# Altium PCB senior_board_rev2.PcbDoc (part 1 of 3) (continued)
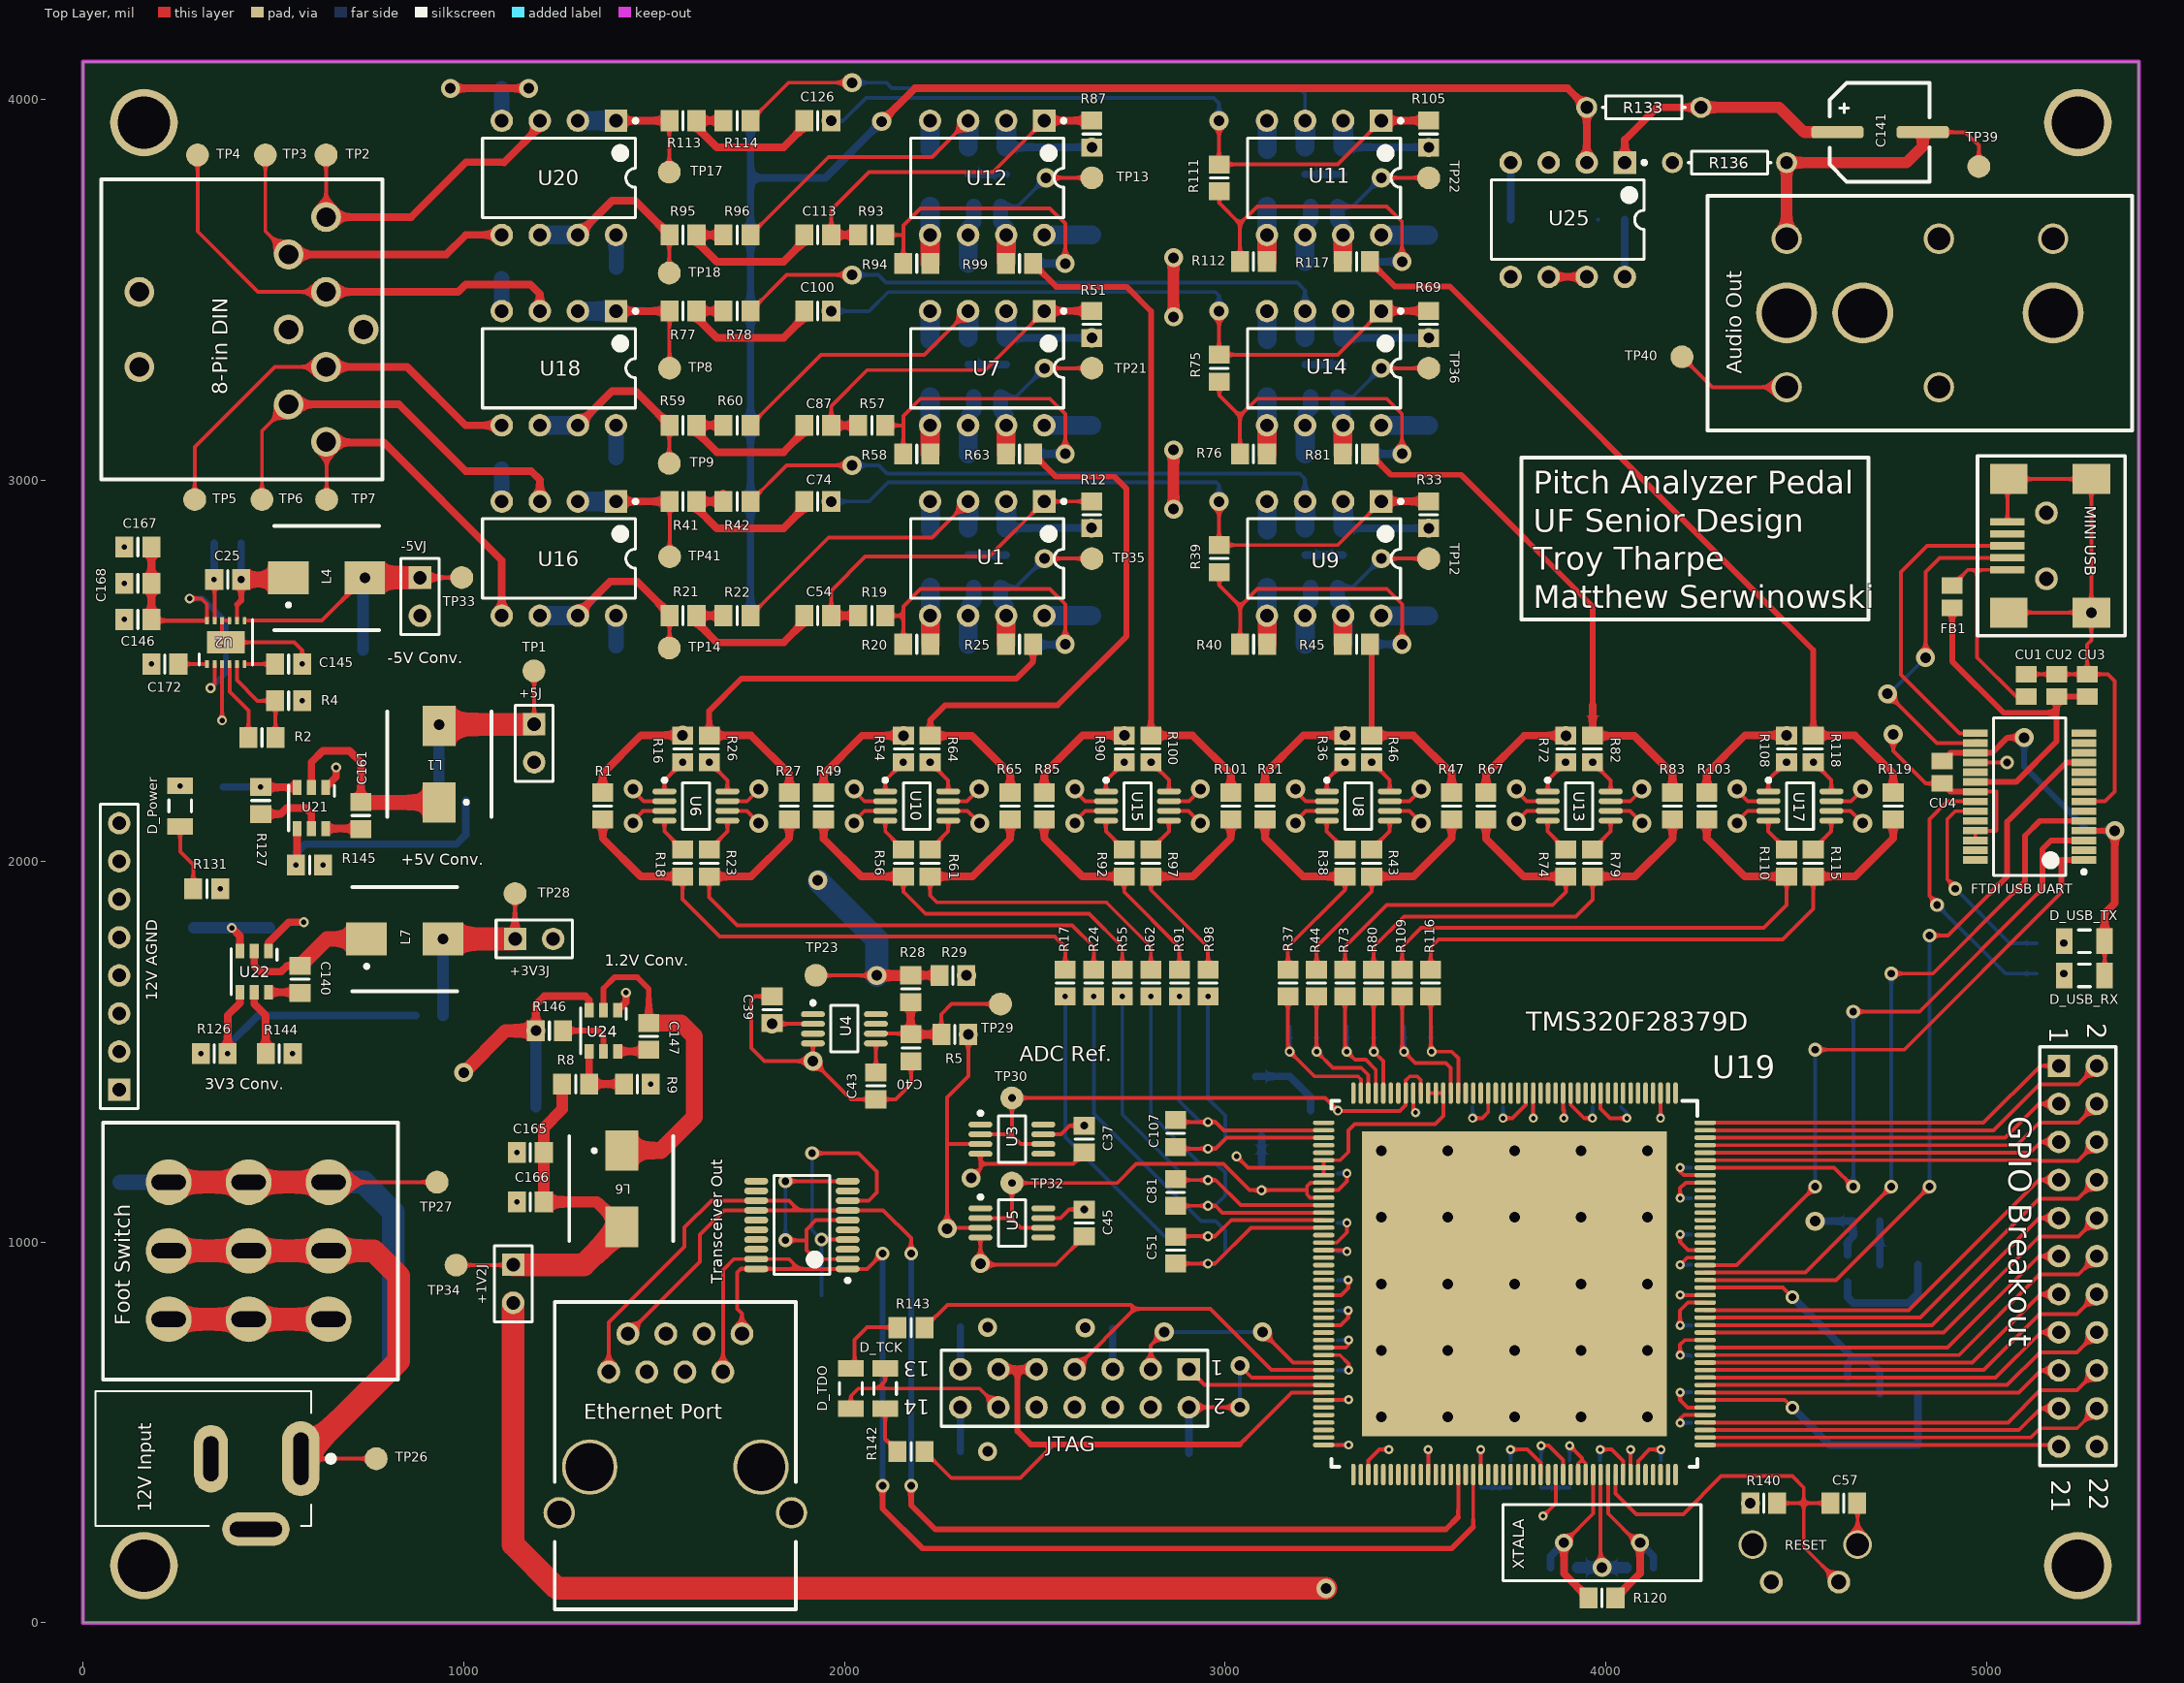
[diagram p0: Top Layer view]
## Components (designator, comment, footprint, x,y, rotation, side; value= is the part's Value field where it differs from the comment)
"8-Pin DIN" "8 pin DIN CONN" "8 PIN DIN CONN" 47.87,3790.55 r270 top
"12V AGND" "Header 8" HDR1X8 95,1400 r90 top
"12V Input" "PJ-002AH" PJ-002AH 650.96,430.79 r180 top
+1V2J "Header 2" HDR1X2 1130,940 r270 top
+3V3J "Header 2" HDR1X2 1135,1796 r0 top
+5J "Header 2" HDR1X2 1185,2360 r270 top
-5VJ "Header 2" HDR1X2 885,2745 r270 top
"Audio Out" "SN37A12A" SN37A12A 4475,3440 r0 top
C1 "Cap" 6-0805_N 3810,1390 r90 bottom value=100nF
C2 "Cap" 6-0805_N 3650,1390 r90 bottom value=100nF
C3 "Cap" 6-0805_N 3965,1390 r90 bottom value=100nF
C4 "Cap" 6-0805_N 4040,1390 r90 bottom value=100nF
C5 "Cap" 6-0805_N 4260,605 r0 bottom value=100nF
C6 "Cap" 6-0805_N 3260,975 r180 bottom value=100nF
C7 "Cap" 6-0805_N 4143.11,1390 r90 bottom value=100nF
C8 "Cap" 6-0805_N 3750,390 r270 bottom value=100nF
C9 "Cap" 6-0805_N 3985,390 r270 bottom value=100nF
C10 "Cap" 6-0805_N 4260,700 r0 bottom value=100nF
C11 "Cap" 6-0805_N 4260,780 r0 bottom value=100nF
C12 "Cap" 6-0805_N 4260,1020 r0 bottom value=100nF
C13 "Cap" 6-0805_N 3495,1390 r90 bottom value=100nF
C14 "Cap" 6-0805_N 4260,1115 r0 bottom value=100nF
C15 "Cap" 6-0805_N 3905,390 r270 bottom value=100nF
C17 "Cap" 6-0805_N 3672,390 r270 bottom value=100nF
C18 "Cap" 6-0805_N 3260,466 r180 bottom value=100nF
C19 "Cap" 6-0805_N 3260,584 r180 bottom value=100nF
C20 "Cap" 6-0805_N 3534,390 r270 bottom value=100nF
C21 "Cap" 6-0805_N 3260,899 r180 bottom value=100nF
C22 "Cap" 6-0805_N 3377,390 r270 bottom value=100nF
C23 "Cap" 6-0805_N 3800,280 r180 bottom value=100nF
C24 "Cap" 6-0805_N 3260,742 r180 bottom value=100nF
C25 "Cap" 6-0805_N 380,2740 r180 top value=10uF
C26 "Cap" 6-0805_N 4260,1195 r0 bottom value=2.2uF
C27 "Cap" 6-0805_N 4065,390 r270 bottom value=2.2uF
C28 "Cap" 6-0805_N 4260,940 r0 bottom value=2.2uF
C29 "Cap" 6-0805_N 4260,860 r0 bottom value=2.2uF
C30 "Cap" 6-0805_N 3730,1390 r90 bottom value=2.2uF
C31 "Cap" 6-0805_N 3890,1390 r90 bottom value=2.2uF
C32 "Cap" 6-0805_N 4260,525 r0 bottom value=2.2uF
C33 "Cap" 6-0805_N 3830,390 r270 bottom value=2.2uF
C34 "Cap" 6-0805_N 3260,663 r180 bottom value=2.2uF
C35 "Cap" 6-0805_N 3260,1050 r180 bottom value=2.2uF
C36 "Cap" 6-0805_N 4145,390 r270 bottom value=100nF
C37 "Cap" 6-0805_N 2630,1270 r270 top value=100nF
C38 "Cap" 6-0805_N 1809.57,1537.8 r270 bottom value=2.2uF
C39 "Cap" 6-0805_N 1810,1610 r90 top value=100nF
C40 "Cap" 6-0805_N 2175,1510 r270 top value=1uF
C41 "Cap" 6-0805_N 2360.47,1544.57 r0 bottom value=1uF
C42 "Cap" 6-0805_N 2270,1070 r90 bottom value=1uF
C43 "Cap" 6-0805_N 2082.68,1410 r270 top value=1uF
C44 "Cap" 6-0805_N 3080,1470 r90 bottom value=22uF
C45 "Cap" 6-0805_N 2630,1050 r270 top value=100nF
C46 "Cap" 6-0805_N 3095,1314.57 r90 bottom value=22uF
C47 "Cap" 6-0805_N 380,2740 r180 bottom value=10uF
C48 "Cap" 6-0805_N 380,2835 r180 bottom value=10uF
C49 "47uF" UUQ1C470MCL1GB 815,651.1 r180 bottom
C50 "Cap" 6-0805_N 1610.43,2260 r0 bottom value=1n
C51 "Cap" 6-0805_N 2870,978.58 r270 top value=180p
C52 "Cap" 6-0805_N 2190,2720 r180 bottom value=10nF
C53 "Cap" 6-0805_N 2325,2840 r270 bottom value=10nF
C54 "Cap" 6-0805_N 1930,2645 r0 top value=8.2nF
C55 "Cap" 6-0805_N 2460,2568.84 r180 bottom value=18nF
C56 "Cap" 6-0805_N 1410,2105 r180 bottom value=100nF
C57 "Cap" 6-0805_N 4625,314.07 r180 top value=8.2nF
C58 "Cap" 6-0805_N 2649.57,2680 r90 bottom value=100nF
C59 "Cap" 6-0805_N 2050,1701 r180 bottom value=1uF
C60 "Cap" 6-0805_N 2190,2870 r180 bottom value=100nF
C61 "Cap" 6-0805_N 1365,2560 r180 bottom value=100nF
C62 "Cap" 6-0805_N 1775,2145 r270 bottom value=220nF
C63 "Cap" 6-0805_N 3150,2105 r180 bottom value=100nF
C64 "Cap" 6-0805_N 1365,3060 r180 bottom value=100nF
C65 "Cap" 6-0805_N 3535,2680 r90 bottom value=100nF
C67 "Cap" 6-0805_N 3350,2260 r0 bottom value=1nF
C68 "Cap" 6-0805_N 3205,1565 r0 bottom value=180p
C69 "Cap" 6-0805_N 3075.43,2720 r180 bottom value=10nF
C70 "Cap" 6-0805_N 3210,2840 r270 bottom value=10nF
C71 "Cap" 6-0805_N 3075,2870 r180 bottom value=100nF
C72 "Cap" 6-0805_N 1135,3030 r0 bottom value=100nF
C73 "Cap" 6-0805_N 3515,2145 r270 bottom value=220nF
C74 "Cap" 6-0805_N 1930,2945 r0 top value=8.2nF
C75 "Cap" 6-0805_N 3345,2570 r180 bottom value=18nF
C76 "Cap" 6-0805_N 1990,2105 r180 bottom value=100nF
C77 "Cap" 6-0805_N 1135,3530.28 r0 bottom value=100nF
C78 "Cap" 6-0805_N 2650,3180 r90 bottom value=100nF
C80 "Cap" 6-0805_N 2190,2260 r0 bottom value=1n
C81 "Cap" 6-0805_N 2870,1130 r270 top value=180p
C82 "Cap" 6-0805_N 2190,3220 r180 bottom value=10nF
C83 "Cap" 6-0805_N 2325,3340 r270 bottom value=10nF
C84 "Cap" 6-0805_N 2190,3370 r180 bottom value=100nF
C85 "Cap" 6-0805_N 1365,3560 r180 bottom value=100nF
C86 "Cap" 6-0805_N 2355,2145.43 r270 bottom value=220nF
C87 "Cap" 6-0805_N 1930,3145 r0 top value=8.2nF
C88 "Cap" 6-0805_N 2460,3070 r180 bottom value=18nF
C89 "Cap" 6-0805_N 3730,2105 r180 bottom value=100nF
C90 "Cap" 6-0805_N 1135,4030 r0 bottom value=100nF
C91 "Cap" 6-0805_N 3535,3180 r90 bottom value=100nF
C93 "Cap" 6-0805_N 3930,2260 r0 bottom value=1n
C94 "Cap" 6-0805_N 3355,1565 r0 bottom value=180p
C95 "Cap" 6-0805_N 3075,3220 r180 bottom value=10nF
C96 "Cap" 6-0805_N 3210,3340 r270 bottom value=10nF
C97 "Cap" 6-0805_N 3075,3370 r180 bottom value=100nF
C98 "Cap" 6-0805_N 1940,825 r270 bottom value=100nF
C99 "Cap" 6-0805_N 4095,2145 r270 bottom value=220nF
C100 "Cap" 6-0805_N 1930,3445 r0 top value=8.2nF
C101 "Cap" 6-0805_N 3345,3070 r180 bottom value=18nF
C102 "Cap" 6-0805_N 2570,2105 r180 bottom value=100nF
C103 "Cap" 6-0805_N 3260,1180 r180 bottom value=100nF
C104 "Cap" 6-0805_N 2650,3680 r90 bottom value=100nF
C106 "Cap" 6-0805_N 2770,2260 r0 bottom value=1n
C107 "Cap" 6-0805_N 2870,1285 r270 top value=180p
C108 "Cap" 6-0805_N 2190,3720 r180 bottom value=10nF
C109 "Cap" 6-0805_N 2325,3840 r270 bottom value=10nF
C110 "Cap" 6-0805_N 2190,3870 r180 bottom value=100nF
C111 "Cap" 6-0805_N 290,1790 r90 bottom value=10uF
C112 "Cap" 6-0805_N 2935,2145 r270 bottom value=220nF
C113 "Cap" 6-0805_N 1930,3645 r0 top value=8.2nF
C114 "Cap" 6-0805_N 2460,3570 r180 bottom value=18nF
C115 "Cap" 6-0805_N 4310,2105 r180 bottom value=100nF
C116 "Cap" 6-0805_N 368.43,2159.57 r90 bottom value=10uF
C117 "Cap" 6-0805_N 3535,3680 r90 bottom value=100nF
C119 "Cap" 6-0805_N 4510,2260 r0 bottom value=1n
C120 "Cap" 6-0805_N 3506.13,1565 r0 bottom value=180p
C121 "Cap" 6-0805_N 3075,3720 r180 bottom value=10nF
C122 "Cap" 6-0805_N 3210,3840 r270 bottom value=10nF
C123 "Cap" 6-0805_N 3075,3870 r180 bottom value=100nF
C124 "Cap" 6-0805_N 375,2575 r90 bottom value=2.2uF
C125 "Cap" 6-0805_N 4675,2145 r270 bottom value=220nF
C126 "Cap" 6-0805_N 1930,3945 r0 top value=8.2nF
C127 "Cap" 6-0805_N 3345,3575 r180 bottom value=18nF
C128 "Cap" 6-0805_N 1410,2185 r180 bottom value=100nF
C129 "Cap" 6-0805_N 3730,2185 r180 bottom value=100nF
C130 "Cap" 6-0805_N 3150,2185 r180 bottom value=100nF
C131 "Cap" 6-0805_N 2570,2185 r180 bottom value=100nF
C132 "Cap" 6-0805_N 1990,2185 r180 bottom value=100nF
C133 "Cap" 6-0805_N 4310,2185 r180 bottom value=100nF
C134 "Cap" 6-0805_N 3260,820 r0 bottom value=0.1uF
C135 "Cap" 6-0805_N 4090,145 r0 bottom value=36pF
C136 "Cap" 6-0805_N 3890,145 r180 bottom value=36pF
C137 "Cap" 6-0805_N 1225,1455 r180 bottom value=10uF
C138 "Cap" 6-0805_N 95,1124 r90 bottom value=100nF
C139 "Cap" 6-0805_N 490.79,1790 r90 bottom value=10uF
C140 "Cap" 6-0805_N 570,1690 r90 top value=100nF
C141 "Cap Pol1" UUQ1C470MCL1GB 4630,3915 r90 top value=47uF
C142 "Cap" 6-0805_N 563.43,2159.57 r90 bottom value=10uF
C143 "Cap" 6-0805_N 466.73,2159.57 r90 bottom value=0.1uF
C145 "Cap" 6-0805_N 540,2517.91 r180 top value=1uF
C146 "Cap" 6-0805_N 144.13,2635 r0 top value=22uF
C147 "Cap" 6-0805_N 1486,1540 r270 top value=100nF
C148 "Cap" 6-0805_N 1225,1355 r180 bottom value=10uF
C149 "Cap" 6-0805_N 390.79,1790 r90 bottom value=0.1uF
C150 "Cap" 6-0805_N 1576,2645 r0 bottom value=1u
C151 "Cap" 6-0805_N 1576,2945 r0 bottom value=1u
C152 "Cap" 6-0805_N 4014.57,3685 r180 bottom value=100nF
C153 "Cap" 6-0805_N 1576,3145 r0 bottom value=1u
C155 "Cap" 6-0805_N 1576,3445 r0 bottom value=1u
C156 "Cap" 6-0805_N 3785,3685 r0 bottom value=100nF
C157 "Cap" 6-0805_N 1576,3645 r0 bottom value=1u
C158 "Cap" 6-0805_N 1576,3945 r0 bottom value=1u
C159 "Cap" 6-0805_N 910,1695 r0 bottom value=22uF
C160 "Cap" 6-0805_N 909.96,1796 r0 bottom value=22uF
C161 "Cap" 6-0805_N 730,2120 r90 top value=100nF
C162 "Cap" 6-0805_N 970,2259.91 r180 bottom value=22uF
C163 "Cap" 6-0805_N 970,2360 r180 bottom value=22uF
C164 "Cap" 6-0805_N 1225,1555 r180 bottom value=0.1uF
C165 "Cap" 6-0805_N 1175,1235 r0 top value=22uF
C166 "Cap" 6-0805_N 1175,1105 r0 top value=22uF
C167 "Cap" 6-0805_N 144.13,2825.63 r0 top value=22uF
C168 "Cap" 6-0805_N 144.13,2730 r0 top value=22uF
C169 "Cap" 6-0805_N 700,2555 r0 bottom value=22uF
C170 "Cap" 6-0805_N 700,2650 r0 bottom value=22uF
C171 "Cap" 6-0805_N 701,2745 r0 bottom value=22uF
C172 "Cap" 6-0805_N 215,2517.91 r0 top value=.22uF
CU1 "Cap Pol3" C0805 5104.15,2461.65 r90 top value=10nF
CU2 "Cap Pol3" C0805 5184.43,2461.65 r90 top value=100nF
CU3 "Cap Pol3" C0805 5264.43,2461.65 r90 top value=4.7uF
CU4 "Cap Pol3" C0805 4883.35,2233.82 r270 top value=100nF
D1 "Diode BAT17" Shotky 850,1410 r270 bottom
D2 "Diode BAT17" Shotky 910,100 r0 bottom
D3 "Diode BAT17" Shotky 750,1265 r90 bottom
D4 "Diode BAT17" Shotky 1055,200 r180 bottom
D_Power "Diode" C1206 255,2145 r90 top
D_TCK "Diode" C1206 2107,615 r90 top
D_TDO "Diode" C1206 2017,615 r270 top
D_USB_RX "Diode" C1206 5257.5,1700 r180 top
D_USB_TX "Diode" C1206 5257.5,1790 r180 top
"Ethernet Port" "RJ45" RJ45 1781,408.83 r90 top
FB1 "" C0805 4910,2695 r270 top value=100pF
"Foot Switch" "LATCH SWITCH" FOOTSWITCH 827.5,1313.5 r180 top
"FTDI USB UART" "FT232RL" FT232R 5113.35,2169.84 r180 top
"GPIO Breakout" "Header 11X2" HDR2X11 5190,1462.7 r270 top
JTAG "Header 7X2" HDR2X7 2904.57,665.75 r180 top
L1 "Inductor" "FIXED IND 4.7UH" 935,2255 r90 top value=4.7uH
L4 "Inductor" "FIXED IND 4.7UH" 639.61,2745 r0 top value=4.7uH
L6 "Inductor" "FIXED IND 4.7UH" 1415,1140 r270 top value=3.3uH
L7 "Inductor" "FIXED IND 4.7UH" 845,1796 r0 top value=3.3uH
"MINI USB" "MINI USB B" "MINI USB B" 5133.74,2828.5 r90 top
R1 "" 6-0805_N 1365,2145 r270 top value=4.8k
R2 "" 6-0805_N 470,2325 r180 top value=130k
R3 "" 6-0805_N 330,2370 r180 bottom value=102k
R4 "" 6-0805_N 540,2421.57 r180 top value=24k
R5 "" 6-0805_N 2290,1545 r180 top value=1k
R6 "" 6-0805_N 3260,1345 r180 bottom value=100mOhm
R7 "" 6-0805_N 3095.87,1171.42 r90 bottom value=100mOhm
R8 "" 6-0805_N 1294,1415 r180 top value=5.76k
R9 "" 6-0805_N 1456,1415 r180 top value=10k
R10 "" 6-0805_N 1718,2645 r0 bottom value=47k
R11 "" 6-0805_N 2425,2840 r90 bottom value=2.49k
R12 "" 6-0805_N 2650,2910 r90 top value=1.02k
R13 "" 6-0805_N 2290,2570 r0 bottom value=2.49k
R14 "" 6-0805_N 2375,2720 r0 bottom value=1.02k
R15 "" 6-0805_N 1540,2330 r0 bottom value=1.2k
R16 "" 6-0805_N 1575,2295 r270 top value=330
R17 "" 6-0805_N 2580,1680 r270 top value=12
R18 "" 6-0805_N 1575,1995 r270 top value=5.1
R19 "" 6-0805_N 2072,2645 r0 top value=12.1k
R20 "" 6-0805_N 2190,2570 r0 top value=3.57k
R21 "" 6-0805_N 1576,2645 r0 top value=9.53k
R22 "" 6-0805_N 1718,2645 r0 top value=10k
R23 "" 6-0805_N 1645,1995 r270 top value=5.1
R24 "" 6-0805_N 2655,1680 r270 top value=12
R25 "" 6-0805_N 2460,2570 r0 top value=1.2k
R26 "" 6-0805_N 1645,2295 r270 top value=330
R27 "" 6-0805_N 1855,2145 r270 top value=4.8k
R28 "" 6-0805_N 2174,1665 r270 top value=10k
R29 "" 6-0805_N 2285,1700 r180 top value=10k
R30 "" 6-0805_N 3280,2330 r0 bottom value=1.2k
R31 "" 6-0805_N 3105,2145 r270 top value=4.8k
R32 "" 6-0805_N 3310,2840 r90 bottom value=2.49k
R33 "" 6-0805_N 3535,2910 r90 top value=1.02k
R34 "" 6-0805_N 3175,2570 r0 bottom value=2.49k
R35 "" 6-0805_N 3260,2720 r0 bottom value=1.02k
R36 "" 6-0805_N 3315,2295 r270 top value=330
R37 "" 6-0805_N 3165,1680 r270 top value=12
R38 "" 6-0805_N 3315,1995 r270 top value=5.1
R39 "" 6-0805_N 2985,2795 r270 top value=12.1k
R40 "" 6-0805_N 3075,2570 r0 top value=3.57k
R41 "" 6-0805_N 1576,2945 r0 top value=9.53k
R42 "" 6-0805_N 1718,2945 r0 top value=10k
R43 "" 6-0805_N 3385,1995 r270 top value=5.1
R44 "" 6-0805_N 3240,1680 r270 top value=12
R45 "" 6-0805_N 3345,2570 r0 top value=1.2k
R46 "" 6-0805_N 3385,2295 r270 top value=330
R47 "" 6-0805_N 3595,2145 r270 top value=4.8k
R48 "" 6-0805_N 2120,2330 r0 bottom value=1.2k
R49 "" 6-0805_N 1945,2145 r270 top value=4.8k
R50 "" 6-0805_N 2425,3340 r90 bottom value=2.49k
R51 "" 6-0805_N 2650,3410 r90 top value=1.02k
R52 "" 6-0805_N 2290,3070 r0 bottom value=2.49k
R53 "" 6-0805_N 2375,3220 r0 bottom value=1.02k
R54 "" 6-0805_N 2155,2295 r270 top value=330
R55 "" 6-0805_N 2730,1680 r270 top value=12
R56 "" 6-0805_N 2155,1995 r270 top value=5.1
R57 "" 6-0805_N 2072,3144.57 r0 top value=12.1k
R58 "" 6-0805_N 2190,3070 r0 top value=3.57k
R59 "" 6-0805_N 1576,3145 r0 top value=9.53k
R60 "" 6-0805_N 1718,3145 r0 top value=10k
R61 "" 6-0805_N 2225,1995 r270 top value=5.1
R62 "" 6-0805_N 2805,1680 r270 top value=12
R63 "" 6-0805_N 2460,3070 r0 top value=1.2k
R64 "" 6-0805_N 2225,2295 r270 top value=330
R65 "" 6-0805_N 2435,2145 r270 top value=4.8k
R66 "" 6-0805_N 3860,2330 r0 bottom value=1.2k
R67 "" 6-0805_N 3685,2145 r270 top value=4.8k
R68 "" 6-0805_N 3310,3340 r90 bottom value=2.49k
R69 "" 6-0805_N 3535,3410 r90 top value=1.02k
R70 "" 6-0805_N 3175,3070 r0 bottom value=2.49k
R71 "" 6-0805_N 3260,3220 r0 bottom value=1.02k
R72 "" 6-0805_N 3895,2295 r270 top value=330
R73 "" 6-0805_N 3315,1680 r270 top value=12
R74 "" 6-0805_N 3895,1995 r270 top value=5.1
R75 "" 6-0805_N 2985,3295 r270 top value=12.1k
R76 "" 6-0805_N 3074.57,3070 r0 top value=3.57k
R77 "" 6-0805_N 1576,3445 r0 top value=9.53k
R78 "" 6-0805_N 1718,3445 r0 top value=10k
R79 "" 6-0805_N 3965,1995 r270 top value=5.1
R80 "" 6-0805_N 3390,1680 r270 top value=12
R81 "" 6-0805_N 3345,3070 r0 top value=1.2k
R82 "" 6-0805_N 3965,2295 r270 top value=330
R83 "" 6-0805_N 4175,2145 r270 top value=4.8k
R84 "" 6-0805_N 2700,2330.51 r0 bottom value=1.2k
R85 "" 6-0805_N 2525,2145 r270 top value=4.8k
R86 "" 6-0805_N 2425,3840 r90 bottom value=2.49k
R87 "" 6-0805_N 2650,3910 r90 top value=1.02k
R88 "" 6-0805_N 2290,3570 r0 bottom value=2.49k
R89 "" 6-0805_N 2375,3720 r0 bottom value=1.02k
R90 "" 6-0805_N 2735,2295 r270 top value=330
R91 "" 6-0805_N 2880,1680 r270 top value=12
R92 "" 6-0805_N 2735,1995 r270 top value=5.1
R93 "" 6-0805_N 2072,3645 r0 top value=12.1k
R94 "" 6-0805_N 2190,3570 r0 top value=3.57k
R95 "" 6-0805_N 1576,3645 r0 top value=9.53k
R96 "" 6-0805_N 1718,3645 r0 top value=10k
R97 "" 6-0805_N 2805,1995 r270 top value=5.1
R98 "" 6-0805_N 2955,1680 r270 top value=12
R99 "" 6-0805_N 2460,3570 r0 top value=1.2k
R100 "" 6-0805_N 2805,2295 r270 top value=330
R101 "" 6-0805_N 3015,2145 r270 top value=4.8k
R102 "" 6-0805_N 4440,2330.43 r0 bottom value=1.2k
R103 "" 6-0805_N 4265,2145 r270 top value=4.8k
R104 "" 6-0805_N 3310,3840 r90 bottom value=2.49k
R105 "" 6-0805_N 3535,3910 r90 top value=1.02k
R106 "" 6-0805_N 3174.57,3575 r0 bottom value=2.49k
R107 "" 6-0805_N 3260,3720 r0 bottom value=1.02k
R108 "" 6-0805_N 4475,2295 r270 top value=330
R109 "" 6-0805_N 3465,1680 r270 top value=12
R110 "" 6-0805_N 4475,1995 r270 top value=5.1
R111 "" 6-0805_N 2985,3795 r270 top value=12.1k
R112 "" 6-0805_N 3074.57,3575 r0 top value=3.57k
R113 "" 6-0805_N 1576,3945 r0 top value=9.53k
R114 "" 6-0805_N 1718,3945 r0 top value=10k
R115 "" 6-0805_N 4545,1995 r270 top value=5.1
R116 "" 6-0805_N 3540,1680 r270 top value=12
R117 "" 6-0805_N 3345,3575 r0 top value=1.2k
R118 "" 6-0805_N 4545,2295 r270 top value=330
R119 "" 6-0805_N 4755,2145 r270 top value=4.8k
R120 "" 6-0805_N 3990,65 r180 top value=1M
R121 "" 6-0805_N 4685,1055 r180 bottom value=820
R122 "" 6-0805_N 2667.83,774.29 r0 bottom value=100
R123 "" 6-0805_N 2340,775.75 r180 bottom value=4.7k
R124 "" 6-0805_N 2340,449.75 r180 bottom value=4.7k
R125 "" 6-0805_N 910,1595 r0 bottom value=33.2k
R126 "" 6-0805_N 344.57,1495 r0 top value=10k
R127 "" 6-0805_N 466.73,2159.57 r90 top value=10k
R128 "" 6-0805_N 970,2160 r180 bottom value=54.9k
R129 "" 6-0805_N 4635,930 r90 bottom value=820
R130 "" 6-0805_N 4635,610 r90 bottom value=2.2k
R131 "" 6-0805_N 325,1927.84 r0 top value=680
R132 "" 6-0805_N 5167.5,1785 r0 bottom value=270
R133 "" AXIAL-0.3 4100,3980 r0 top value=11k
R134 "" 6-0805_N 1718,2945 r0 bottom value=47k
R135 "" 6-0805_N 1718,3145 r0 bottom value=47k
R136 "" AXIAL-0.3 4325,3835 r0 top value=11k
R137 "" 6-0805_N 1718,3445 r0 bottom value=47k
R138 "" 6-0805_N 1718,3645 r0 bottom value=47k
R139 "" 6-0805_N 1718,3945 r0 bottom value=47k
R140 "" 6-0805_N 4415,314.07 r180 top value=2.2k
R141 "" 6-0805_N 5167.5,1705 r0 bottom value=270
R142 "" 6-0805_N 2175,450 r0 top value=680
R143 "" 6-0805_N 2175,775 r0 top value=680
R144 "" 6-0805_N 515.43,1495 r0 top value=10k
R145 "" 6-0805_N 595,1990 r180 top value=10k
R146 "" 6-0805_N 1225,1555 r180 top value=10k
R147 "" 6-0805_N 4855,466.77 r180 bottom value=2.2k
R148 "" 6-0805_N 2870,445 r0 bottom value=2.2k
RESET "B3F-3152" B3F-3152 4435,106.59 r0 top
S1 "SW DIP-3" "GULL WING SWITCH" 4720,940 r270 bottom
TP1 "Test Point" "Test Point" 1184.33,2500 r0 top
TP2 "Test Point" "TEST POINT" 638.43,3855 r0 top
TP3 "Test Point" "TEST POINT" 479,3855 r0 top
TP4 "Test Point" "TEST POINT" 300.87,3855 r0 top
TP5 "Test Point" "TEST POINT" 293.46,2950 r0 top
TP6 "Test Point" "TEST POINT" 470,2950 r0 top
TP7 "Test Point" "TEST POINT" 640,2950 r0 top
TP8 "Test Point" "TEST POINT" 1540.57,3295 r0 top
TP9 "Test Point" "TEST POINT" 1540,3045 r0 top
TP12 "Test Point" "TEST POINT" 3535,2795 r180 top
TP13 "Test Point" "TEST POINT" 2650,3795 r180 top
TP14 "Test Point" "TEST POINT" 1540,2560 r90 top
TP17 "Test Point" "TEST POINT" 1540,3810 r90 top
TP18 "Test Point" "TEST POINT" 1540,3545 r90 top
TP21 "Test Point" "TEST POINT" 2650,3295 r90 top
TP22 "Test Point" "TEST POINT" 3535,3795 r90 top
TP23 "Test Point" "TEST POINT" 1925,1700.43 r180 top
TP26 "Test Point" "TEST POINT" 770,430.79 r180 top
TP27 "Test Point" "TEST POINT" 930,1157 r180 top
TP28 "Test Point" "TEST POINT" 1135,1915 r270 top
TP29 "Test Point" "TEST POINT" 2410,1625 r90 top
TP30 "Test Point" "TEST POINT" 2440,1378.36 r90 top
TP32 "Test Point" "TEST POINT" 2440,1155 r90 top
TP33 "Test Point" "TEST POINT" 995,2745 r180 top
TP34 "Test Point" "TEST POINT" 980,939.21 r90 top
TP35 "Test Point" "TEST POINT" 2650,2795 r180 top
TP36 "Test Point" "TEST POINT" 3535,3295 r180 top
TP39 "Test Point" "TEST POINT" 4980,3825 r90 top
TP40 "Test Point" "TEST POINT" 4200,3325 r90 top
TP41 "Test Point" "TEST POINT" 1541.02,2800 r90 top
"Transceiver Out" "SN65LVDT41" SN65LVDT41 1888.4,1044.57 r180 top
U1 "NE5532P" TI-P8 2375,2795 r270 top
U2 "TPS63710DRR" DRR0012C 375,2575 r90 top value=Value
U3 "OPA350EA/250" TI-DGK8_N 2440,1270 r0 top
U4 "REF5030IDGKT" TI-DGK8_N 2000,1560 r0 top
U5 "OPA350EA/250" TI-DGK8_N 2440,1050 r0 top
U6 "THS4531IDGKR" TI-DGK8_N 1610,2145 r0 top
U7 "NE5532P" TI-P8 2375,3295 r270 top
U8 "THS4531IDGKR" TI-DGK8_N 3350,2145 r0 top
U9 "NE5532P" TI-P8 3260,2795 r270 top
U10 "THS4531IDGKR" TI-DGK8_N 2190,2145 r0 top
U11 "NE5532P" TI-P8 3260,3795 r270 top
U12 "NE5532P" TI-P8 2375,3795 r270 top
U13 "THS4531IDGKR" TI-DGK8_N 3930,2145 r0 top
U14 "NE5532P" TI-P8 3260,3295 r270 top
U15 "THS4531IDGKR" TI-DGK8_N 2770,2145 r0 top
U16 "NE5532P" TI-P8 1250,2795 r270 top
U17 "THS4531IDGKR" TI-DGK8_N 4510,2145 r0 top
U18 "NE5532P" TI-P8 1250,3295 r270 top
U19 "TMS320F28379DPTP" PTP0176F_N 3760,890 r270 top value=Value
U20 "NE5532P" TI-P8 1250,3795 r270 top
U21 "TPS563200DDCR" DDC0006A 600,2140 r270 top
U22 "TPS563200DDCR" DDC0006A 449.57,1710 r270 top
U24 "TPS561208DDCR" DDC0006A 1366.88,1554.68 r270 top value=Value
U25 "NE5532P" TI-P8 3900,3685 r270 top
XTALA "ATS100B-E" "ATS XTAL" 4090,210 r180 top

## Footprints (in the part's own frame and the unit in brackets; to place one, negate y for a bottom-side part, rotate by r counter-clockwise, add the part's x,y. Pads: shape width x height; smd on the part's side, far side on the other; paste and mask are expansions set on the pad)
6-0805_N [mm] "Chip Resistor, Body 2.0x1.2mm, IPC Medium Density"
  rect 1.2x1.4 smd: 1(-0.9,0) 2(0.9,0)
  silkscreen extent 0,-0.6 0,0.6, body extent -1.07,-0.7 1.07,0.7, height 0.7
"8 PIN DIN CONN" [mm]
  round 2 hole 1.3: 1(7.5,2.54) 2(12.5,2.54) 3(5,12.5) 4(10,12.5) 5(15,12.5) 6(2.5,15) 7(7.5,15) 8(12.5,15) 9(17.5,15) 10(10,17.5)
  silkscreen extent 0,0 20,18.75
"ATS XTAL" [mm]
  round 1.2 hole 0.7: 1(0,0) 2(5.08,0)
  silkscreen extent -4.06,-2.54 9.14,2.54
AXIAL-0.3 [mm] "Axial Device, Thru-Hole; 2 Leads; 0.3 in Pin Spacing"
  round 1.4 hole 0.85: 1(-3.81,0) 2(3.81,0)
  silkscreen extent -2.77,-0.76 2.77,0.76
B3F-3152 [mm]
  round 1.524 hole 1: 1(0,0) 2(4.5,0)
  round 1.9 hole 1.5: 3(-1.25,2.5) 4(5.75,2.5)
C0805 [mm] "Chip Capacitor, Body 2.0x1.3mm, IPC High Density"
  rect 1.1x1.4 smd: 1(-0.75,0) 2(0.75,0)
  body extent -1.1,-0.72 1.1,0.72, height 1.4
C1206 [mm] "Chip Capacitor, Body 3.2x1.6mm, IPC High Density"
  rect 1.1x1.7 smd: 1(-1.35,0) 2(1.35,0)
  silkscreen extent -0.4,-0.75 0.4,0.75, body extent -1.7,-0.9 1.7,0.9, height 1.3
DDC0006A [mm]
  rect 1x0.6 smd paste+0 mask+0.051: 1(-1.375,0.95) 2(-1.375,0) 3(-1.375,-0.95) 4(1.375,-0.95) 5(1.375,0) 6(1.375,0.95)
  silkscreen extent -1.52,-1.52 1.52,1.52, body extent -1.5,-1.5 1.5,1.5, height 0.25
DRR0012C [mm]
  rect 0.5x0.25 smd paste+0 mask+0.051: 1(-1.45,1.25) 2(-1.45,0.75) 3(-1.45,0.25) 4(-1.45,-0.25) 5(-1.45,-0.75) 6(-1.45,-1.25) 7(1.45,-1.25) 8(1.45,-0.75) 9(1.45,-0.25) 10(1.45,0.25) 11(1.45,0.75) 12(1.45,1.25)
  rect 1.5x2.5 smd paste-1.237 mask+0.051: 13(0,0)
  silkscreen extent -1.52,-1.78 1.52,1.78, body extent -1.25,-1.5 1.25,1.5, height 0.25
"FIXED IND 4.7UH" [mm]
  rect 2.7x2.2 smd: 1(-2.55,0) 2(2.55,0)
  silkscreen extent -3.5,-3.5 3.5,3.45
FOOTSWITCH [mil] "3PDT Latching  Solder Lug  Footswitch"
  round 120 hole 40 slot 90 at 0 deg: 1(182.5,336.5) 1(392.5,336.5) 1(602.5,336.5) 2(182.5,516.5) 2(392.5,516.5) 2(602.5,516.5) 3(182.5,156.5) 3(392.5,156.5) 3(602.5,156.5)
  silkscreen extent 0,0 775,675
FT232R [mm] "FTDI FT232R USB to UART IC"
  rect 1.65x0.5 smd: 1(-3.625,4.225) 2(-3.625,3.575) 3(-3.625,2.925) 4(-3.625,2.275) 5(-3.625,1.625) 6(-3.625,0.975) 7(-3.625,0.325) 8(-3.625,-0.325) 9(-3.625,-0.975) 10(-3.625,-1.625) 11(-3.625,-2.275) 12(-3.625,-2.925) 13(-3.625,-3.575) 14(-3.625,-4.225) 15(3.625,-4.225) 16(3.625,-3.575) 17(3.625,-2.925) 18(3.625,-2.275) 19(3.625,-1.625) 20(3.625,-0.975) 21(3.625,-0.325) 22(3.625,0.325) 23(3.625,0.975) 24(3.625,1.625) 25(3.625,2.275) 26(3.625,2.925) 27(3.625,3.575) 28(3.625,4.225)
  silkscreen extent -3.75,-5.25 2.4,5.25, body extent -3.9,-5.25 3.9,5.25, height 1.75
"GULL WING SWITCH" [mm]
  rect 2.44x1.13 smd: 1(0,0) 2(0,-2.54) 3(0,-5.08) 4(8.61,-5.08) 5(8.61,-2.54) 6(8.61,0)
  silkscreen extent 2.29,0 2.29,0
HDR1X2 [mm] "Connector; Header; 2 Position"
  rect 1.5x1.5 hole 0.9: 1(0,0)
  round 1.5 hole 0.9: 2(2.54,0)
  silkscreen extent -1.27,-1.27 3.81,1.27
HDR1X8 [mm] "Connector; Header; 8 Position"
  rect 1.5x1.5 hole 0.9: 1(0,0)
  round 1.5 hole 0.9: 2(2.54,0) 3(5.08,0) 4(7.62,0) 5(10.16,0) 6(12.7,0) 7(15.24,0) 8(17.78,0)
  silkscreen extent -1.27,-1.27 19.05,1.27
HDR2X7 [mm] "Connector; Header; 7x2 Position"
  rect 1.5x1.5 hole 0.9: 1(0,0)
  round 1.5 hole 0.9: 2(0,2.54) 3(2.54,0) 4(2.54,2.54) 5(5.08,0) 6(5.08,2.54) 7(7.62,0) 8(7.62,2.54) 9(10.16,0) 10(10.16,2.54) 11(12.7,0) 12(12.7,2.54) 13(15.24,0) 14(15.24,2.54)
  silkscreen extent -1.27,-1.27 16.51,3.81
HDR2X11 [mm] "Connector; Header; 11x2 Position"
  rect 1.5x1.5 hole 0.9: 1(0,0)
  round 1.5 hole 0.9: 2(0,2.54) 3(2.54,0) 4(2.54,2.54) 5(5.08,0) 6(5.08,2.54) 7(7.62,0) 8(7.62,2.54) 9(10.16,0) 10(10.16,2.54) 11(12.7,0) 12(12.7,2.54) 13(15.24,0) 14(15.24,2.54) 15(17.78,0) 16(17.78,2.54) 17(20.32,0) 18(20.32,2.54) 19(22.86,0) 20(22.86,2.54) 21(25.4,0) 22(25.4,2.54)
  silkscreen extent -1.27,-1.27 26.67,3.81
"MINI USB B" [mm] "Sparkfun Mini-USB B SMD Connector"
  rect 0.5x2.3 smd: 1(-1.6,2) 2(-0.8,2) 3(0,2) 4(0.8,2) 5(1.6,2)
  rect 2x2.5 smd: 5(-4.45,-3.6) 5(-4.45,1.9) 5(4.45,-3.6) 5(4.45,1.9)
  round 1.524 hole 0.95: ""(-2.2,-0.6) ""(2.2,-0.6)
  silkscreen extent -6,-5.85 6,4
PJ-002AH [mm] "PJ-002AH"
  oval 2.5x5 hole 1 slot 3.5 at 90 deg: 1(2,0)
  oval 2.25x4.5 hole 1 slot 3 at 90 deg: 2(8,0)
  oval 4.5x2.25 hole 1 slot 3.5 at 0 deg: 3(5,4.7)
  silkscreen extent -0.2,-4.5 15.7,4.5
PTP0176F_N [mm]
  oval 1.45x0.3 smd paste+0 mask+0.051: 1(-12.725,10.75) 2(-12.725,10.25) 3(-12.725,9.75) 4(-12.725,9.25) 5(-12.725,8.75) 6(-12.725,8.25) 7(-12.725,7.75) 8(-12.725,7.25) 9(-12.725,6.75) 10(-12.725,6.25) 11(-12.725,5.75) 12(-12.725,5.25) 13(-12.725,4.75) 14(-12.725,4.25) 15(-12.725,3.75) 16(-12.725,3.25) 17(-12.725,2.75) 18(-12.725,2.25) 19(-12.725,1.75) 20(-12.725,1.25) 21(-12.725,0.75) 22(-12.725,0.25) 23(-12.725,-0.25) 24(-12.725,-0.75) 25(-12.725,-1.25) 26(-12.725,-1.75) 27(-12.725,-2.25) 28(-12.725,-2.75) 29(-12.725,-3.25) 30(-12.725,-3.75) 31(-12.725,-4.25) 32(-12.725,-4.75) 33(-12.725,-5.25) 34(-12.725,-5.75) 35(-12.725,-6.25) 36(-12.725,-6.75) 37(-12.725,-7.25) 38(-12.725,-7.75) 39(-12.725,-8.25) 40(-12.725,-8.75) 41(-12.725,-9.25) 42(-12.725,-9.75) 43(-12.725,-10.25) 44(-12.725,-10.75) 89(12.725,-10.75) 90(12.725,-10.25) 91(12.725,-9.75) 92(12.725,-9.25) 93(12.725,-8.75) 94(12.725,-8.25) 95(12.725,-7.75) 96(12.725,-7.25) 97(12.725,-6.75) 98(12.725,-6.25) 99(12.725,-5.75) 100(12.725,-5.25) 101(12.725,-4.75) 102(12.725,-4.25) 103(12.725,-3.75) 104(12.725,-3.25) 105(12.725,-2.75) 106(12.725,-2.25) 107(12.725,-1.75) 108(12.725,-1.25) 109(12.725,-0.75) 110(12.725,-0.25) 111(12.725,0.25) 112(12.725,0.75) 113(12.725,1.25) 114(12.725,1.75) 115(12.725,2.25) 116(12.725,2.75) 117(12.725,3.25) 118(12.725,3.75) 119(12.725,4.25) 120(12.725,4.75) 121(12.725,5.25) 122(12.725,5.75) 123(12.725,6.25) 124(12.725,6.75) 125(12.725,7.25) 126(12.725,7.75) 127(12.725,8.25) 128(12.725,8.75) 129(12.725,9.25) 130(12.725,9.75) 131(12.725,10.25) 132(12.725,10.75)
  oval 0.3x1.45 smd paste+0 mask+0.051: 45(-10.75,-12.725) 46(-10.25,-12.725) 47(-9.75,-12.725) 48(-9.25,-12.725) 49(-8.75,-12.725) 50(-8.25,-12.725) 51(-7.75,-12.725) 52(-7.25,-12.725) 53(-6.75,-12.725) 54(-6.25,-12.725) 55(-5.75,-12.725) 56(-5.25,-12.725) 57(-4.75,-12.725) 58(-4.25,-12.725) 59(-3.75,-12.725) 60(-3.25,-12.725) 61(-2.75,-12.725) 62(-2.25,-12.725) 63(-1.75,-12.725) 64(-1.25,-12.725) 65(-0.75,-12.725) 66(-0.25,-12.725) 67(0.25,-12.725) 68(0.75,-12.725) 69(1.25,-12.725) 70(1.75,-12.725) 71(2.25,-12.725) 72(2.75,-12.725) 73(3.25,-12.725) 74(3.75,-12.725) 75(4.25,-12.725) 76(4.75,-12.725) 77(5.25,-12.725) 78(5.75,-12.725) 79(6.25,-12.725) 80(6.75,-12.725) 81(7.25,-12.725) 82(7.75,-12.725) 83(8.25,-12.725) 84(8.75,-12.725) 85(9.25,-12.725) 86(9.75,-12.725) 87(10.25,-12.725) 88(10.75,-12.725) 133(10.75,12.725) 134(10.25,12.725) 135(9.75,12.725) 136(9.25,12.725) 137(8.75,12.725) 138(8.25,12.725) 139(7.75,12.725) 140(7.25,12.725) 141(6.75,12.725) 142(6.25,12.725) 143(5.75,12.725) 144(5.25,12.725) 145(4.75,12.725) 146(4.25,12.725) 147(3.75,12.725) 148(3.25,12.725) 149(2.75,12.725) 150(2.25,12.725) 151(1.75,12.725) 152(1.25,12.725) 153(0.75,12.725) 154(0.25,12.725) 155(-0.25,12.725) 156(-0.75,12.725) 157(-1.25,12.725) 158(-1.75,12.725) 159(-2.25,12.725) 160(-2.75,12.725) 161(-3.25,12.725) 162(-3.75,12.725) 163(-4.25,12.725) 164(-4.75,12.725) 165(-5.25,12.725) 166(-5.75,12.725) 167(-6.25,12.725) 168(-6.75,12.725) 169(-7.25,12.725) 170(-7.75,12.725) 171(-8.25,12.725) 172(-8.75,12.725) 173(-9.25,12.725) 174(-9.75,12.725) 175(-10.25,12.725) 176(-10.75,12.725)
  rect 20.32x20.32 smd paste-10.987 mask+0.051: 177(0,0)
  silkscreen extent -12.2,-12.2 12.2,12.2, body extent 0,0 0.25,0.25, height 0.25
RJ45 [mm] "Ethernet/Cat5e 8p8c"
  round 1.524 hole 0.95: 1(6.35,10.16) 2(8.89,8.89) 3(6.35,7.62) 4(8.89,6.35) 5(6.35,5.08) 6(8.89,3.81) 7(6.35,2.54) 8(8.89,1.27)
  round 2.1 hole 1.6: SGND(-3.05,13.465) SGND(-3.05,-2.035)
  round 3.7 hole 3.2: ""(0,11.43) ""(0,0)
  silkscreen extent -9.5,-2.33 11,13.76
Shotky [mm]
  rect 0.7x1.2 smd: 1(0,0) 2(3.7,0)
SN37A12A [mil]
  round 160 hole 130: MOUNT(0,0) MOUNT(200,0) MOUNT(700,0)
  round 80 hole 60: R(400,195) RB(400,-195) S(700,195) T(0,195) TB(0,-195)
  silkscreen extent -208,-308 908,308
SN65LVDT41 [mm] "TSOP, 20-Leads, Body 6.50x4.40mm, Pitch 0.65mm, IPC Medium Density"
  oval 1.6x0.45 smd: 1(-3.05,2.925) 2(-3.05,2.275) 3(-3.05,1.625) 4(-3.05,0.975) 5(-3.05,0.325) 6(-3.05,-0.325) 7(-3.05,-0.975) 8(-3.05,-1.625) 9(-3.05,-2.275) 10(-3.05,-2.925) 11(3.05,-2.925) 12(3.05,-2.275) 13(3.05,-1.625) 14(3.05,-0.975) 15(3.05,-0.325) 16(3.05,0.325) 17(3.05,0.975) 18(3.05,1.625) 19(3.05,2.275) 20(3.05,2.925)
  silkscreen extent -3.18,-3.3 1.85,3.82, body extent -2.25,-3.3 2.25,3.3, height 1.2
"Test Point" [mil]
  round 60 smd: TP(0,0)
"TEST POINT" [mil]
  round 60 smd: TP(0,0)
TI-DGK8_N [mm] "SOP, 8-Leads, Body 3x3mm, Pitch 0.65mm, IPC Medium Density"
  oval 1.6x0.4 smd: 1(-2.1,0.975) 2(-2.1,0.325) 3(-2.1,-0.325) 4(-2.1,-0.975) 5(2.1,-0.975) 6(2.1,-0.325) 7(2.1,0.325) 8(2.1,0.975)
  silkscreen extent -2.22,-1.55 0.9,1.85, body extent -1.55,-1.55 1.55,1.55, height 1.1
TI-P8 [mm] "DIP, 8-Leads, Body 9.59x6.35mm, Pitch 2.54mm"
  rect 1.5x1.5 hole 0.9: 1(-3.81,3.81)
  round 1.5 hole 0.9: 2(-3.81,1.27) 3(-3.81,-1.27) 4(-3.81,-3.81) 5(3.81,-3.81) 6(3.81,-1.27) 7(3.81,1.27) 8(3.81,3.81)
  silkscreen extent -3.93,-5.1 2.65,5.24, body extent -3.95,-5.07 3.95,5.07, height 5.08
UUQ1C470MCL1GB [mm]
  rrect50% 0.8x3.5 smd: 1(0,0.55) 2(0,-5.15)
  silkscreen extent -3.3,-5.6 3.3,1.08

## Part data
"12V AGND": "Header, 8-Pin", LatestRevisionDate=17-Jul-2002, LatestRevisionNote="Re-released for DXP Platform.", Publisher="Altium Limited"
+1V2J +3V3J +5J -5VJ: "Header, 2-Pin", LatestRevisionDate=17-Jul-2002, LatestRevisionNote="Re-released for DXP Platform.", Publisher="Altium Limited"
C1 C2 C3 C4 C5 C6 C7 C8 C9 C10 C11 C12 C13 C14 C15 C17 C18 C19 C20 C21 C22 C23 C24 C25 C26 C27 C28 C29 C30 C31 C32 C33 C34 C35 C36 C37 C38 C39 C40 C41 C42 C43 C44 C45 C46 C47 C48 C50 C51 C52 C53 C54 C55 C56 C57 C58 C59 C60 C61 C62 C63 C64 C65 C67 C68 C69 C70 C71 C72 C73 C74 C75 C76 C77 C78 C80 C81 C82 C83 C84 C85 C86 C87 C88 C89 C90 C91 C93 C94 C95 C96 C97 C98 C99 C100 C101 C102 C103 C104 C106 C107 C108 C109 C110 C111 C112 C113 C114 C115 C116 C117 C119 C120 C121 C122 C123 C124 C125 C126 C127 C128 C129 C130 C131 C132 C133 C134 C135 C136 C137 C138 C139 C140 C142 C143 C145 C146 C147 C148 C149 C150 C151 C152 C153 C155 C156 C157 C158 C159 C160 C161 C162 C163 C164 C165 C166 C167 C168 C169 C170 C171 C172: "Capacitor", LatestRevisionDate=17-Jul-2002, LatestRevisionNote="Re-released for DXP Platform.", PackageDescription="Radial Cap, Thru-Hole; 2 Leads; 0.3 in Pin Spacing", PackageReference=RAD-0.3, Published=8-Jun-2000, Publisher="Altium Limited"
C49: library part UUQ1C470MCL1GB, "UUQ1C470MCL1GB"
C141: "Polarized Capacitor (Radial)", LatestRevisionDate=17-Jul-2002, LatestRevisionNote="Re-released for DXP Platform.", PackageDescription="Polarized Capacitor (Radial); 2 Leads", PackageReference=RB7.6-15, Published=8-Jun-2000, Publisher="Altium Limited"
CU1 CU2 CU3 CU4: "Polarized Capacitor (Surface Mount)", LatestRevisionDate=29-May-2009, LatestRevisionNote="IPC-7351 Footprint Added.", PackageDescription="Chip Capacitor", PackageReference=C0805, Published=8-Jun-2000, Publisher="Altium Limited"
D1 D2 D3 D4: library part "Diode 11DQ03", "Schottky Rectifier", Code_JEDEC=DO-204-AL, ComponentLink1Description="Manufacturer Link", ComponentLink1URL=http://www.irf.com/, ComponentLink2Description=Datasheet, ComponentLink2URL=http://www.irf.com/product-info/datasheets/data/11dq03.pdf, DatasheetVersion=Dec-1997, LatestRevisionDate=17-Jul-2002, LatestRevisionNote="Re-released for DXP Platform.", PackageDescription="Diode, Axial; Body 5.2 x 2.7 mm (LxDia. max), Lead Dia. 0.86 mm (max)", PackageReference=DO-204AL, Published=8-Jun-2000, Publisher="Altium Limited"
D_Power D_TCK D_TDO D_USB_RX D_USB_TX: "Default Diode", Code_JEDEC=DO-214-AB, LatestRevisionDate=17-Jul-2002, LatestRevisionNote="Re-released for DXP Platform.", PackageDescription="DO-214-AB/SMC; 2 C-Bend Leads; Body 7.9 x 5.9 mm, inc. leads (LxW)", PackageReference=SMC, PackageVersion=Sep-1996, Published=8-Jun-2000, Publisher="Altium Limited"
FB1: library part "Cap Pol3", "Ferrite Bead - 0805", LatestRevisionDate=29-May-2009, LatestRevisionNote="IPC-7351 Footprint Added.", PackageDescription="Chip Capacitor", PackageReference=C0805, Published=8-Jun-2000, Publisher="Altium Limited"
"GPIO Breakout": "Header, 11-Pin, Dual row", LatestRevisionDate=17-Jul-2002, LatestRevisionNote="Re-released for DXP Platform.", Publisher="Altium Limited"
JTAG: "Header, 7-Pin, Dual row", LatestRevisionDate=17-Jul-2002, LatestRevisionNote="Re-released for DXP Platform.", Publisher="Altium Limited"
R1 R2 R3 R4 R5 R6 R7 R8 R9 R10 R11 R12 R13 R14 R15 R16 R17 R18 R19 R20 R21 R22 R23 R24 R25 R26 R27 R28 R29 R30 R31 R32 R33 R34 R35 R36 R37 R38 R39 R40 R41 R42 R43 R44 R45 R46 R47 R48 R49 R50 R51 R52 R53 R54 R55 R56 R57 R58 R59 R60 R61 R62 R63 R64 R65 R66 R67 R68 R69 R70 R71 R72 R73 R74 R75 R76 R77 R78 R79 R80 R81 R82 R83 R84 R85 R86 R87 R88 R89 R90 R91 R92 R93 R94 R95 R96 R97 R98 R99 R100 R101 R102 R103 R104 R105 R106 R107 R108 R109 R110 R111 R112 R113 R114 R115 R116 R117 R118 R119 R120 R121 R122 R123 R124 R125 R126 R127 R128 R129 R130 R131 R132 R133 R134 R135 R136 R137 R138 R139 R140 R141 R142 R143 R144 R145 R146 R147 R148: library part Res3, "Resistor", LatestRevisionDate=29-May-2009, LatestRevisionNote="IPC-7351 Footprint Added.", PackageDescription="Chip Resistor", PackageReference=J1-0603, Published=8-Jun-2000, Publisher="Altium Limited"
S1: "DIP Switch, 3 Position, SPST", Code_JEDEC=MO-001-AM, LatestRevisionDate=17-Jul-2002, LatestRevisionNote="Re-released for DXP Platform.", PackageReference=DIP-6, Published=24-Mar-1999, Publisher="Altium Limited"
U1 U7 U9 U11 U12 U14 U16 U18 U20 U25: "Dual Low-Noise High-Speed Audio Operational Amplifier, 10 to 30 V, 0 to 70 degC, 8-pin DIP (P8), Pb-Free (RoHS)", Manufacturer="Texas Instruments", Supplier Part Number 1=296-1410-5-ND, Total Supply Voltage(Max)(+5V is 5, +/-5V is 10)=30, Total Supply Voltage(Min)(+5V is 5, +/-5V is 10)=10, CMRR(Min)(dB)=70, Code_JEDEC=MS-001, ComponentLink1Description="Manufacturer URL", ComponentLink1URL=http://www.ti.com/, ComponentLink2Description=Datasheet, ComponentLink2URL=http://www.ti.com/lit/ds/symlink/ne5532.pdf, ComponentLink3Description="Package Specification", ComponentLink3URL=http://www.ti.com/litv/pdf/mpdi001b, DatasheetVersion=SLOS075I, Eco-Plan="Pb-Free (RoHS)", GBW(Typ)(MHz)=10, IIB(Max)(pA)=800000, Iq per channel(Max)(mA)=4, Mounting Technology="Through Hole", Number of Channels=2, PackageDescription="8-Pin Plastic In-Line, Body 9.59 x 6.35 mm, Pitch 2.54 mm", PackageReference=P8, PackageVersion="4040082/E, 04/2010", PartNumber=NE5532P, Slew Rate(Typ)(V/us)=9, Sub Family="General Purpose Amplifier, High Supply Voltage Amplifier (>=30V), Low Noise Amp (<=10nV/rtHz)", Supplier 1=Digi-Key, Supplier 2=Farnell, Supplier 3=Farnell, Supplier 4=Newark, Supplier 5=Mouser, Supplier Part Number 2=1106092, Supplier Part Number 3=2119505, Supplier Part Number 4=59K8751, Supplier Part Number 5=595-NE5532P, Vio (25C)(Max)(mV)=4, Vn at 1kHz(Typ)(nV/rtHz)=5
U2 U24: "Imported", Manufacturer="Texas Instruments", Manufacturer_Name="Texas Instruments", RefDes=RefDes, TYPE=TYPE
  U2: Manufacturer_Part_Number=TPS63710DRR, PartNumber=TPS63710DRR
  U24: Manufacturer_Part_Number=TPS561208DDCR, PartNumber=TPS561208DDCR
U3 U5: "High-Speed, Single-Supply, Rail-to-Rail Operational Amplifier MicroAmplifier(TM) Series, 2.7 to 5.5 V, -40 to 85 degC, 8-pin SOP (DGK8), Green (RoHS & no Sb/Br)", Manufacturer="Texas Instruments", Supplier Part Number 1=OPA350EATR-ND, Total Supply Voltage(Max)(+5V is 5, +/-5V is 10)=5.5, Total Supply Voltage(Min)(+5V is 5, +/-5V is 10)=2.7, CMRR(Min)(dB)=66, Code_JEDEC=MO-187, ComponentLink1Description="Manufacturer URL", ComponentLink1URL=http://www.ti.com/, ComponentLink2Description=Datasheet, ComponentLink2URL=http://www.ti.com/general/docs/lit/getliterature.tsp?genericPartNumber=OPA350&fileType=pdf, ComponentLink3Description="Package Specification", ComponentLink3URL=http://www.ti.com/litv/pdf/mpds028d, DatasheetVersion=SBOS099C, Eco-Plan="Green (RoHS & no Sb/Br)", IIB(Max)(pA)=10, Iq per channel(Max)(mA)=8.5, Mounting Technology="Surface Mount", Number of Channels=1, Offset Drift(Typ)(uV/C)=4, PackageDescription="8-Pin Thin Small Outline, Body 3 x 3 mm, Pitch 0.65 mm", PackageReference=DGK8, PackageVersion="4073329/E, 05/2006", PartNumber=OPA350EA/250, Slew Rate(Typ)(V/us)=22, Sub Family="Low Input Bias Current Amp (<=10pA), Low Offset Voltage Amplifier (<=500uV), Low Supply Voltage Amplifier (<=2.7V), Precision Amplifier", Supplier 1=Digi-Key, Supplier 2=Digi-Key, Supplier 3=Digi-Key, Supplier 4=Farnell, Supplier 5=Newark, Supplier 6=Mouser, Supplier Part Number 2=OPA350EACT-ND, Supplier Part Number 3=OPA350EADKR-ND, Supplier Part Number 4=9547568, Supplier Part Number 5=75C4899, Supplier Part Number 6=595-OPA350EA/250, Vio (25C)(Max)(mV)=1, Vn at 1kHz(Typ)(nV/rtHz)=18
U4: "Low Noise, Very Low Drift, Precision Voltage Reference, -40 to 125 degC, 8-pin MSOP (DGK), Green (RoHS & no Sb/Br)", Manufacturer="Texas Instruments", Rating=Catalog, Supplier Part Number 1=296-24501-2-ND, Temp Coeff(Max)(ppm/ degree C)=3, Code_JEDEC=MO-187, ComponentLink1Description="Manufacturer URL", ComponentLink1URL=http://www.ti.com/, ComponentLink2Description=Datasheet, ComponentLink2URL=http://www.ti.com/general/docs/lit/getliterature.tsp?genericPartNumber=REF5030&fileType=pdf, ComponentLink3Description="Package Specification", ComponentLink3URL=http://www.ti.com/litv/pdf/mpds028d, DatasheetVersion=SBOS410E, Eco-Plan="Green (RoHS & no Sb/Br)", Initial Accuracy @ 25/deg C(%)=0.05, Iout/Iz(Max)(mA)=10, Iq(Max)(uA)=1000, Mounting Technology="Surface Mount", PackageDescription="8-Pin Thin Small Outline Package 3 x 3 mm Body ,0.65 mm Pitch", PackageReference=DGK8, PackageVersion=4073329/E, PartNumber=REF5030IDGKT, SubFamily="Series Voltage Reference", Supplier 1=Digi-Key, Supplier 2=Digi-Key, Supplier 3=Digi-Key, Supplier 4=Newark, Supplier 5=Mouser, Supplier Part Number 2=296-24501-1-ND, Supplier Part Number 3=296-24501-6-ND, Supplier Part Number 4=24R9921, Supplier Part Number 5=595-REF5030IDGKT, VI(Max)(V)=18, VI(Min)(V)=3.2, VO(V)=3
U6 U8 U10 U13 U15 U17: "Ultra Low Power 0.25 mA, RRO, Fully Differential Amplifier, 2.5 to 5.5 V, -40 to 125 degC, 8-pin SOP (DGK8), Green (RoHS & no Sb/Br)", Manufacturer="Texas Instruments", Offset Voltage Drift (+/-)(Max)(uV/Degrees Celsius=10, Supplier Part Number 1=296-30342-2-ND, 2nd Harmonic(dBc)=-128, 3rd Harmonic(dBc)=-137, BW @ Acl(MHz)=24, Code_JEDEC=MO-187, ComponentLink1Description="Manufacturer URL", ComponentLink1URL=http://www.ti.com/, ComponentLink2Description=Datasheet, ComponentLink2URL=http://www.ti.com/general/docs/lit/getliterature.tsp?genericPartNumber=THS4531&fileType=pdf, ComponentLink3Description="Package Specification", ComponentLink3URL=http://www.ti.com/litv/pdf/mpds028d, DatasheetVersion=SLOS358B, Eco-Plan="Green (RoHS & no Sb/Br)", Io(Typ)(mA)=26, Iq per channel(Max)(mA)=0.35, Mounting Technology="Surface Mount", Number of Channels=1, PackageDescription="8-Pin Thin Small Outline, Body 3 x 3 mm, Pitch 0.65 mm", PackageReference=DGK8, PackageVersion="4073329/E, 05/2006", PartNumber=THS4531IDGKR, Settling Time (0.1%)(Typ)(ns)=60, Slew Rate(Typ)(V/us)=15, SubFamily="Fully Differential Amplifier", Supplier 1=Digi-Key, Supplier 2=Digi-Key, Supplier 3=Digi-Key, Supplier 4=Mouser, Supplier Part Number 2=296-30342-1-ND, Supplier Part Number 3=296-30342-6-ND, Supplier Part Number 4=595-THS4531IDGKR, THD (Fc is 1 MHz)(Typ)(dB)=-107, Vio(Max)(mV)=1, Vn at Flatband(Typ)(nV/rtHz)=10, Vs(Max)(V)=5.5, Vs(Min)(V)=2.5
U19: "Imported", Manufacturer="Texas Instruments", PartNumber=TMS320F28379DPTPS, RefDes=RefDes, TYPE=TYPE
U21 U22: "17 V Input, 3A Synchronous Step-Down Regulator in SOT-23 with Advanced Eco-mode? 6-SOT -40 to 85", Package="TSOT-23 Texas Instruments", Digi-Key_Part_Number=296-43663-1-ND, Digi-Key_Purchase_URL=https://www.digikey.com/product-detail/en/texas-instruments/TPS563200DDCR/296-43663-1-ND/5864733?utm_source=snapeda&utm_medium=aggregator&utm_campaign=symbol, MF="Texas Instruments", MP=TPS563200DDCR, SnapEDA_Link=https://www.snapeda.com/parts/TPS563200DDCR/Texas%20Instruments/view-part/?ref=snap
L1 L4 L6 L7: Code_IEC=1005, Code_JEITA=0402, LatestRevisionDate=29-May-2009, LatestRevisionNote="IPC-7351 Footprint Added.", PackageDescription="Chip Inductor", PackageReference=0402-A, Published=8-Jun-2000, Publisher="Altium Limited"

## Free pads (board coordinates)
  round 177.17 hole 137.8: MOUNT(160,3940) MOUNT(160,150) MOUNT(5240,150) MOUNT(5240,3940)

## Via types
v1: diameter 50, hole 28, Top Layer to Bottom Layer, 120 vias
v2: diameter 26, hole 14, Top Layer to Bottom Layer, 46 vias
v3: diameter 24, hole 12, Top Layer to Bottom Layer, 36 vias
v4: diameter 36, hole 20, Top Layer to Bottom Layer, 27 vias
v5: diameter 40, hole 20, Top Layer to Bottom Layer, 12 vias
v6: diameter 32, hole 18, Top Layer to Bottom Layer, 1 vias